# KiCad board output.Panel_R0.5.1_300x300_2layer_step1_Modified.kicad_pcb (continued)
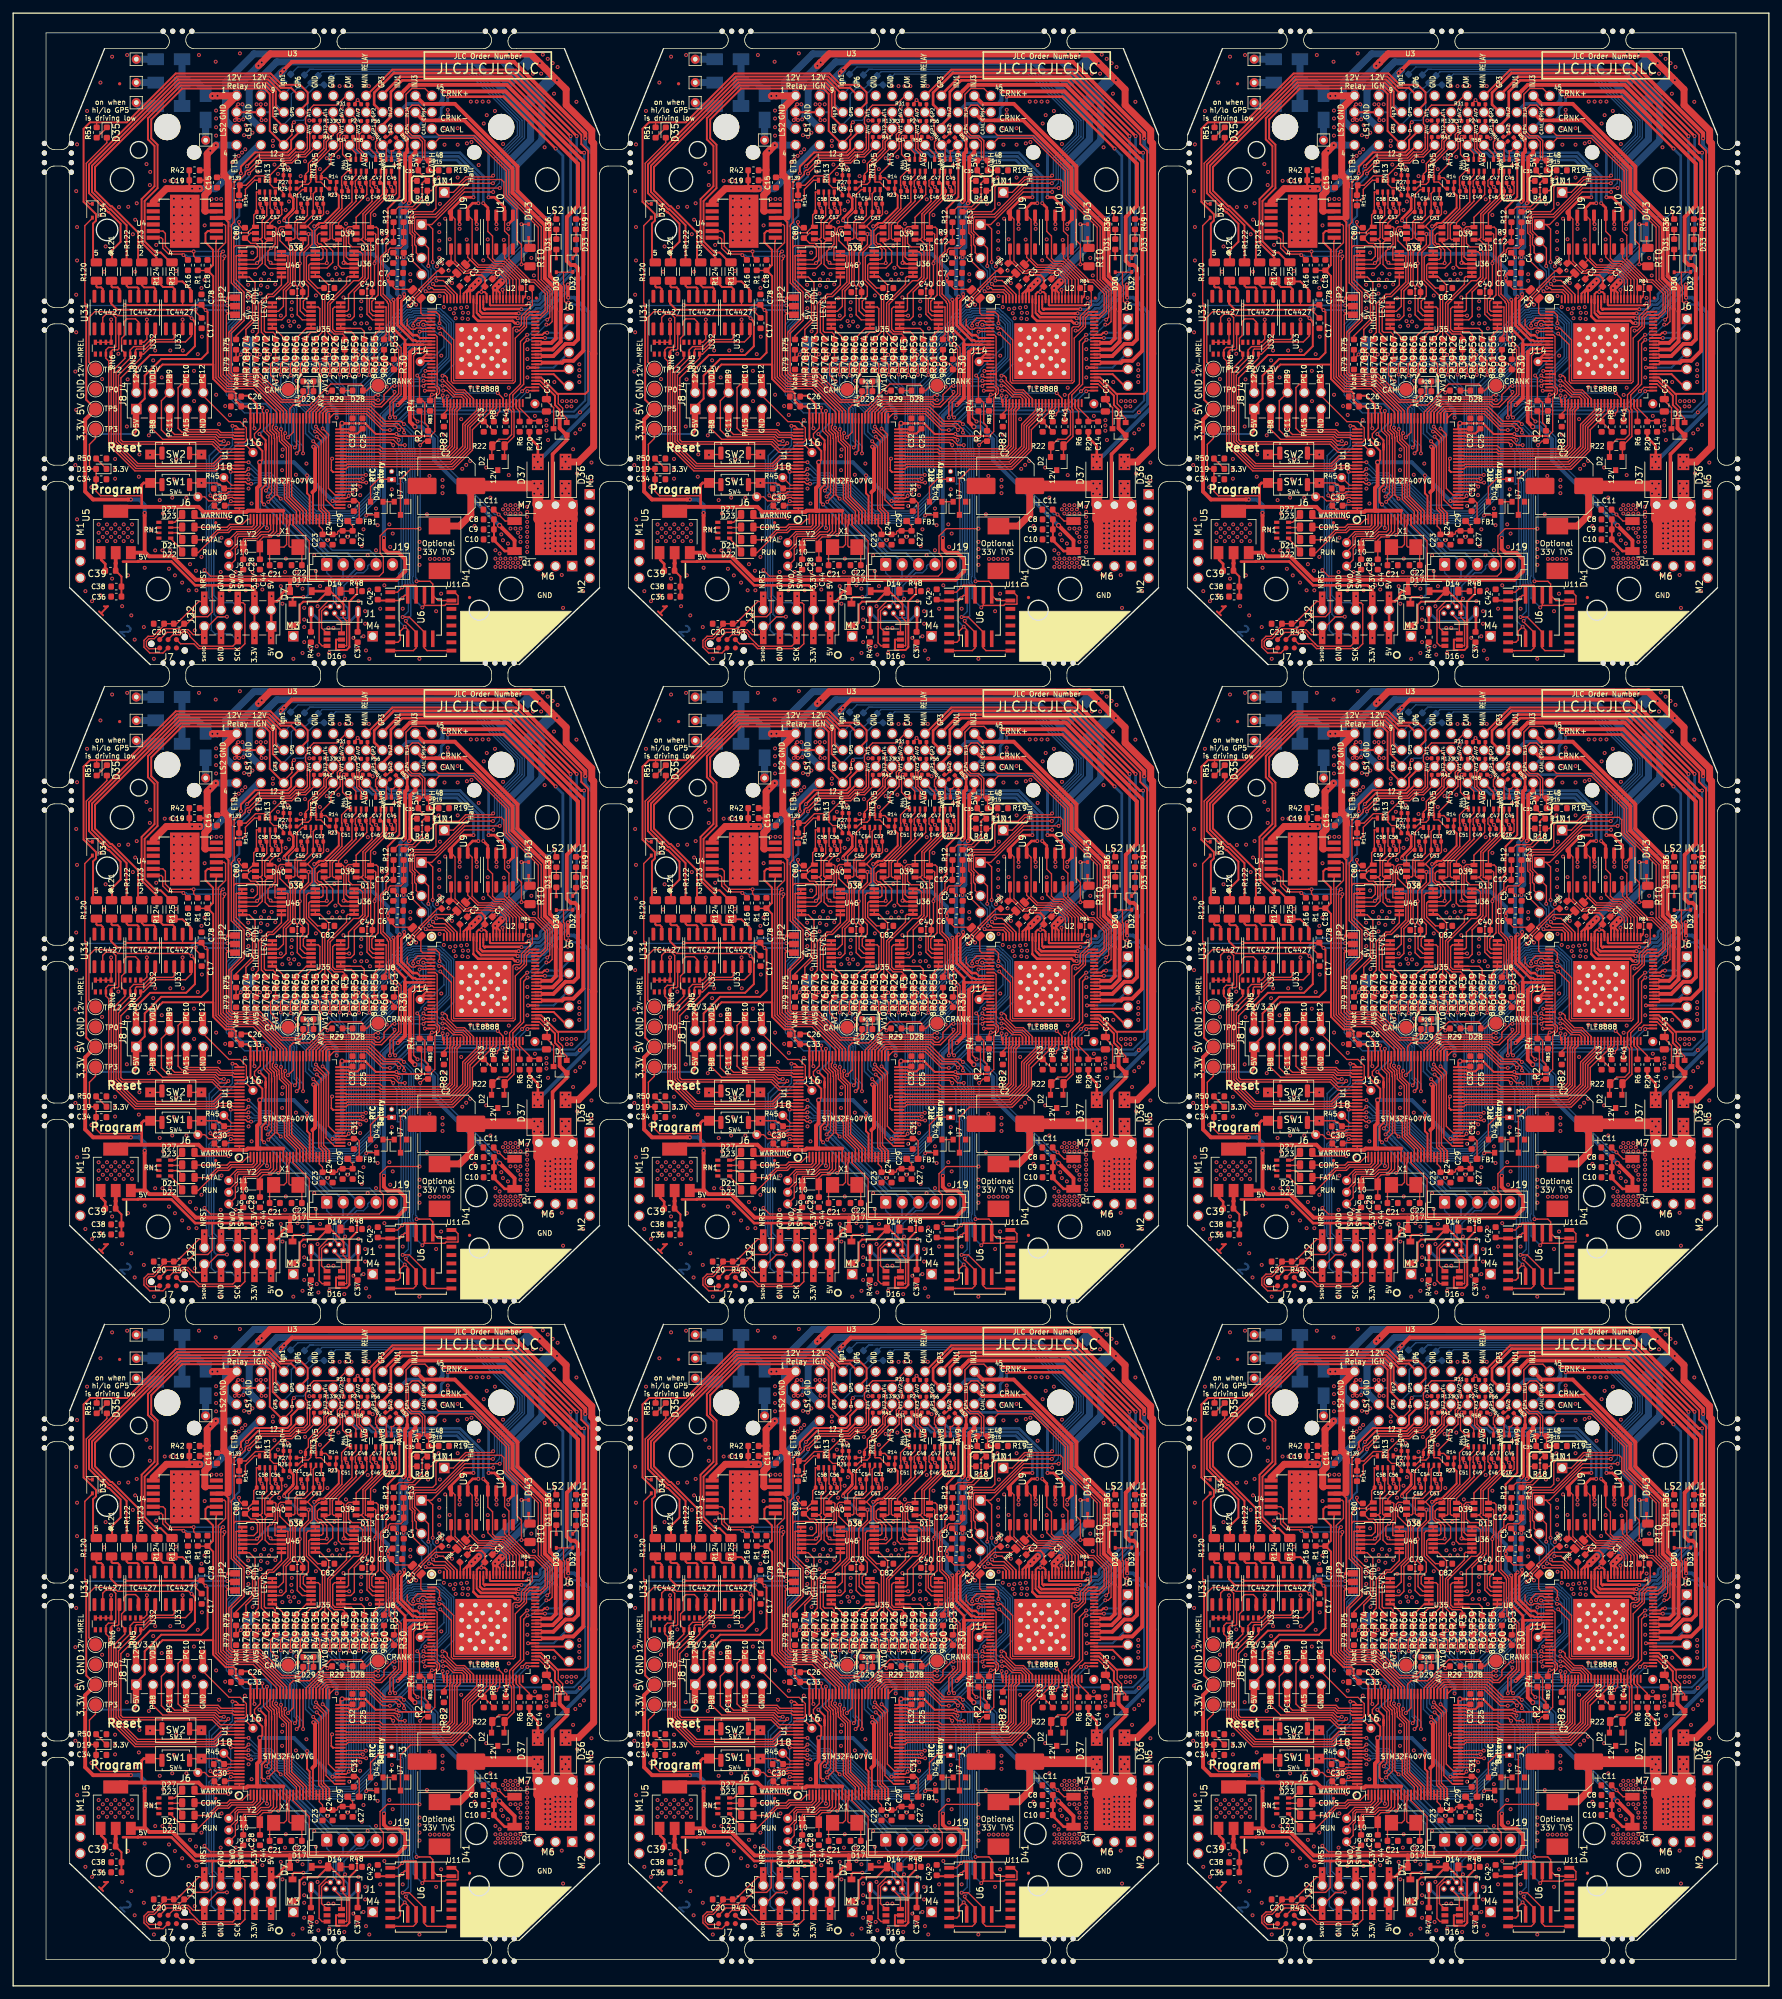
[diagram p0: board, top side]
## Routing (per net, layer and track width the routed paths; a pad name or vN(x,y) marks a point on that pad's centre or on a via; arc(x,y) is an arc through that point) (continued)
Net-(C53-Pad1): length 222.4
  Top w0.216: RN3#2.7 131.06,272.97 130.63,272.55 130.63,270.12 130.68,270.08 C53#2.1 130.68,269.44 129.36,268.12 128.23,268.12 128.23,265.82 128.42,265.63 D38#2.4 129.09,264.89 127.9,263.7 127.9,258.75 128.2,258.45 128.2,254.12 128.97,253.36 U35#2.3 ; RN3#3.7 216.06,272.97 215.63,272.55 215.63,270.12 215.68,270.08 C53#3.1 215.68,269.44 214.36,268.12 213.23,268.12 213.23,265.82 213.42,265.63 D38#3.4 214.09,264.89 212.9,263.7 212.9,258.75 213.2,258.45 213.2,254.12 213.97,253.36 U35#3.3 ; RN3#6.7 46.06,175.97 45.63,175.55 45.63,173.12 45.68,173.08 C53#4.1 45.68,172.44 44.36,171.12 43.23,171.12 43.23,168.82 43.42,168.63 D38#4.4 44.09,167.89 42.9,166.7 42.9,161.75 43.2,161.45 43.2,157.12 43.97,156.36 U35#4.3 ; RN3#4.7 131.06,175.97 130.63,175.55 130.63,173.12 130.68,173.08 C53#6.1 130.68,172.44 129.36,171.12 128.23,171.12 128.23,168.82 128.42,168.63 D38#6.4 129.09,167.89 127.9,166.7 127.9,161.75 128.2,161.45 128.2,157.12 128.97,156.36 U35#6.3 ; RN3#5.7 216.06,175.97 215.63,175.55 215.63,173.12 215.68,173.08 C53#5.1 215.68,172.44 214.36,171.12 213.23,171.12 213.23,168.82 213.42,168.63 D38#5.4 214.09,167.89 212.9,166.7 212.9,161.75 213.2,161.45 213.2,157.12 213.97,156.36 U35#5.3 ; RN3#8.7 131.06,78.97 130.63,78.55 130.63,76.12 130.68,76.08 C53#9.1 130.68,75.44 129.36,74.12 128.23,74.12 128.23,71.82 128.42,71.63 D38#8.4 129.09,70.89 127.9,69.7 127.9,64.75 128.2,64.45 128.2,60.12 128.97,59.36 U35#9.3 ; U35#7.3 43.97,59.36 43.2,60.12 43.2,64.45 42.9,64.75 42.9,69.7 44.09,70.89 D38#9.4 43.42,71.63 43.23,71.82 43.23,74.12 44.36,74.12 45.68,75.44 C53#7.1 45.68,76.08 45.63,76.12 45.63,78.55 46.06,78.97 RN3#9.7 ; RN3#7.7 216.06,78.97 215.63,78.55 215.63,76.12 215.68,76.08 C53#8.1 215.68,75.44 214.36,74.12 213.23,74.12 213.23,71.82 213.42,71.63 D38#7.4 214.09,70.89 212.9,69.7 212.9,64.75 213.2,64.45 213.2,60.12 213.97,59.36 U35#8.3 ; U35.3 43.97,253.36 43.2,254.12 43.2,258.45 42.9,258.75 42.9,263.7 44.09,264.89 D38.4 43.42,265.63 43.23,265.82 43.23,268.12 44.36,268.12 45.68,269.44 C53.1 45.68,270.08 45.63,270.12 45.63,272.55 46.06,272.97 RN3.7
Net-(C54-Pad1): length 221.6
  Top w0.216: U35#2.12 125.86,253.36 126.5,254 126.5,257.76 127.53,258.79 127.53,264.17 126.89,264.81 D38#2.3 127.68,265.63 127.85,265.8 127.85,268.26 128.21,268.61 129.13,268.61 129.75,269.23 C54#2.1 129.75,271.35 130.26,271.86 RN3#2.6 ; U35#3.12 210.86,253.36 211.5,254 211.5,257.76 212.53,258.79 212.53,264.17 211.89,264.81 D38#3.3 212.68,265.63 212.85,265.8 212.85,268.26 213.21,268.61 214.13,268.61 214.75,269.23 C54#3.1 214.75,271.35 215.26,271.86 RN3#3.6 ; U35#4.12 40.86,156.36 41.5,157 41.5,160.76 42.53,161.79 42.53,167.17 41.89,167.81 D38#4.3 42.68,168.63 42.85,168.8 42.85,171.26 43.21,171.61 44.13,171.61 44.75,172.22 C54#4.1 44.75,174.35 45.26,174.86 RN3#6.6 ; U35#6.12 125.86,156.36 126.5,157 126.5,160.76 127.53,161.79 127.53,167.17 126.89,167.81 D38#6.3 127.68,168.63 127.85,168.8 127.85,171.26 128.21,171.61 129.13,171.61 129.75,172.22 C54#6.1 129.75,174.35 130.26,174.86 RN3#4.6 ; U35#5.12 210.86,156.36 211.5,157 211.5,160.76 212.53,161.79 212.53,167.17 211.89,167.81 D38#5.3 212.68,168.63 212.85,168.8 212.85,171.26 213.21,171.61 214.13,171.61 214.75,172.22 C54#5.1 214.75,174.35 215.26,174.86 RN3#5.6 ; U35#9.12 125.86,59.36 126.5,60 126.5,63.76 127.53,64.79 127.53,70.17 126.89,70.81 D38#8.3 127.68,71.63 127.85,71.8 127.85,74.26 128.21,74.61 129.13,74.61 129.75,75.23 C54#9.1 129.75,77.35 130.26,77.86 RN3#8.6 ; U35#7.12 40.86,59.36 41.5,60 41.5,63.76 42.53,64.79 42.53,70.17 41.89,70.81 D38#9.3 42.68,71.63 42.85,71.8 42.85,74.26 43.21,74.61 44.13,74.61 44.75,75.23 C54#8.1 44.75,77.35 45.26,77.86 RN3#9.6 ; U35#8.12 210.86,59.36 211.5,60 211.5,63.76 212.53,64.79 212.53,70.17 211.89,70.81 D38#7.3 212.68,71.63 212.85,71.8 212.85,74.26 213.21,74.61 214.13,74.61 214.75,75.23 C54#7.1 214.75,77.35 215.26,77.86 RN3#7.6 ; U35.12 40.86,253.36 41.5,254 41.5,257.76 42.53,258.79 42.53,264.17 41.89,264.81 D38.3 42.68,265.63 42.85,265.8 42.85,268.26 43.21,268.61 44.13,268.61 44.75,269.23 C54.1 44.75,271.35 45.26,271.86 RN3.6
Net-(C55-Pad1): length 221.7
  Top w0.216: D38#2.1 126.43,267.53 ; D38#2.1 125.64,267.53 125.34,267.23 125.34,266.69 125.58,266.44 125.58,265.4 127.16,263.82 127.16,258.94 126.1,257.88 126.1,255.41 125.35,254.66 U35#2.10 ; D38#2.1 126.8,267.62 126.6,267.62 ; D38#2.1 126.89,268.8 127.85,269.76 C55#2.1 128.14,272.32 128.99,273.17 RN3#2.5 ; 211.6,267.62 211.8,267.62 D38#3.1 ; D38#3.1 211.43,267.53 ; D38#3.1 210.64,267.53 210.34,267.23 210.34,266.69 210.58,266.44 210.58,265.4 212.16,263.82 212.16,258.94 211.1,257.88 211.1,255.41 210.35,254.66 U35#3.10 ; D38#3.1 211.89,268.8 212.85,269.76 C55#3.1 213.14,272.32 213.99,273.17 RN3#3.5 ; 41.89,170.53 41.43,170.53 ; 41.89,170.53 40.64,170.53 40.34,170.23 40.34,169.69 40.58,169.44 40.58,168.4 42.16,166.82 42.16,161.94 41.1,160.88 41.1,158.41 40.35,157.66 U35#4.10 ; 41.89,170.53 41.8,170.62 41.6,170.62 ; 41.89,170.53 41.89,171.8 42.85,172.76 C55#4.1 43.14,175.32 43.99,176.17 RN3#6.5 ; 126.6,170.62 126.8,170.62 126.89,170.53 ; 126.89,170.53 126.43,170.53 ; 126.89,170.53 125.64,170.53 125.34,170.23 125.34,169.69 125.58,169.44 125.58,168.4 127.16,166.82 127.16,161.94 126.1,160.88 126.1,158.41 125.35,157.66 U35#6.10 ; 126.89,170.53 126.89,171.8 127.85,172.76 C55#6.1 128.14,175.32 128.99,176.17 RN3#4.5 ; 211.89,170.53 211.8,170.62 211.6,170.62 ; 211.89,170.53 211.43,170.53 ; 211.89,170.53 210.64,170.53 210.34,170.23 210.34,169.69 210.58,169.44 210.58,168.4 212.16,166.82 212.16,161.94 211.1,160.88 211.1,158.41 210.35,157.66 U35#5.10 ; 211.89,170.53 211.89,171.8 212.85,172.76 C55#5.1 213.14,175.32 213.99,176.17 RN3#5.5 ; 126.6,73.62 126.8,73.62 D38#8.1 ; D38#8.1 126.43,73.53 ; D38#8.1 125.64,73.53 125.34,73.23 125.34,72.69 125.58,72.44 125.58,71.4 127.16,69.82 127.16,64.94 126.1,63.88 126.1,61.41 125.35,60.66 U35#9.10 ; D38#8.1 126.89,74.8 127.85,75.76 C55#9.1 128.14,78.32 128.99,79.17 RN3#8.5 ; D38#9.1 40.64,73.53 40.34,73.23 40.34,72.69 40.58,72.44 40.58,71.4 42.16,69.82 42.16,64.94 41.1,63.88 41.1,61.41 40.35,60.66 U35#7.10 ; D38#9.1 41.43,73.53 ; D38#9.1 41.89,74.8 42.85,75.76 C55#7.1 43.14,78.32 43.99,79.17 RN3#9.5 ; D38#9.1 41.8,73.62 41.6,73.62 ; U35#8.10 210.35,60.66 211.1,61.41 211.1,63.88 212.16,64.94 212.16,69.82 210.58,71.4 210.58,72.44 210.34,72.69 210.34,73.23 210.64,73.53 D38#7.1 ; D38#7.1 211.43,73.53 ; D38#7.1 211.8,73.62 211.6,73.62 ; D38#7.1 211.89,74.8 212.85,75.76 C55#8.1 213.14,78.32 213.99,79.17 RN3#7.5 ; D38.1 40.64,267.53 40.34,267.23 40.34,266.69 40.58,266.44 40.58,265.4 42.16,263.82 42.16,258.94 41.1,257.88 41.1,255.41 40.35,254.66 U35.10 ; D38.1 41.43,267.53 ; D38.1 41.8,267.62 41.6,267.62 ; D38.1 41.89,268.8 42.85,269.76 C55.1 43.14,272.32 43.99,273.17 RN3.5
Net-(C56-Pad1): length 123.9
  Top w0.216: RN13#2.8 124.87,271.96 125.81,271.03 125.81,270.14 125.86,270.1 125.86,269.41 125.23,268.79 124.8,268.79 124.05,268.05 D40#2.3 124.8,267.51 124.97,267.34 124.97,266.53 125.21,266.29 125.21,264.56 124.82,264.17 124.82,262.52 124.86,262.47 U46#2.12 ; RN13#3.8 209.87,271.96 210.81,271.03 210.81,270.14 210.86,270.1 210.86,269.41 210.23,268.79 209.8,268.79 209.05,268.05 D40#3.3 209.8,267.51 209.97,267.34 209.97,266.53 210.21,266.29 210.21,264.56 209.82,264.17 209.82,262.52 209.86,262.47 U46#3.12 ; RN13#6.8 39.87,174.96 C56#4.1 40.81,173.14 40.86,173.1 40.86,172.41 40.23,171.79 39.8,171.79 39.05,171.05 D40#4.3 39.8,170.51 39.97,170.34 39.97,169.53 40.21,169.29 40.21,167.56 39.82,167.17 39.82,165.52 39.86,165.47 U46#6.12 ; RN13#4.8 124.87,174.96 125.81,174.03 125.81,173.14 125.86,173.1 125.86,172.41 125.23,171.79 124.8,171.79 124.05,171.05 D40#6.3 124.8,170.51 124.97,170.34 124.97,169.53 125.21,169.29 125.21,167.56 124.82,167.17 124.82,165.52 124.86,165.47 U46#4.12 ; RN13#5.8 209.87,174.96 210.81,174.03 210.81,173.14 210.86,173.1 210.86,172.41 210.23,171.79 209.8,171.79 209.05,171.05 D40#5.3 209.8,170.51 209.97,170.34 209.97,169.53 210.21,169.29 210.21,167.56 209.82,167.17 209.82,165.52 209.86,165.47 U46#5.12 ; RN13#8.8 124.87,77.96 125.81,77.03 125.81,76.14 125.86,76.1 125.86,75.41 125.23,74.79 124.8,74.79 124.05,74.05 D40#9.3 124.8,73.51 124.97,73.34 124.97,72.53 125.21,72.29 125.21,70.56 124.82,70.17 124.82,68.52 124.86,68.47 U46#8.12 ; RN13#9.8 39.87,77.96 C56#8.1 40.81,76.14 40.86,76.1 40.86,75.41 40.23,74.79 39.8,74.79 39.05,74.05 D40#7.3 39.8,73.51 39.97,73.34 39.97,72.53 40.21,72.29 40.21,70.56 39.82,70.17 39.82,68.52 39.86,68.47 U46#9.12 ; RN13#7.8 209.87,77.96 210.81,77.03 210.81,76.14 210.86,76.1 210.86,75.41 210.23,74.79 209.8,74.79 209.05,74.05 D40#8.3 209.8,73.51 209.97,73.34 209.97,72.53 210.21,72.29 210.21,70.56 209.82,70.17 209.82,68.52 209.86,68.47 U46#7.12 ; U46.12 39.86,262.47 39.82,262.52 39.82,264.17 40.21,264.56 40.21,266.29 39.97,266.53 39.97,267.34 39.8,267.51 D40.3 39.05,268.05 39.8,268.79 40.23,268.79 40.86,269.41 40.86,270.1 40.81,270.14 C56.1 39.87,271.96 RN13.8
Net-(C57-Pad1): length 139.7
  Top w0.203: D40#2.1 123.85,265.61 123.32,265.08 123.32,261.78 123.93,261.17 124.83,261.17 ; 209.83,261.17 208.93,261.17 208.32,261.78 208.32,265.08 208.85,265.61 D40#3.1 ; D40#4.1 38.85,168.61 38.32,168.08 38.32,164.78 38.93,164.17 39.83,164.17 ; 124.83,164.17 123.93,164.17 123.32,164.78 123.32,168.08 123.85,168.61 D40#6.1 ; 209.83,164.17 208.93,164.17 208.32,164.78 208.32,168.08 208.85,168.61 D40#5.1 ; 124.83,67.17 123.93,67.17 123.32,67.78 123.32,71.08 123.85,71.61 D40#9.1 ; D40#7.1 38.85,71.61 38.32,71.08 38.32,67.78 38.93,67.17 39.83,67.17 ; 209.83,67.17 208.93,67.17 208.32,67.78 208.32,71.08 208.85,71.61 D40#8.1 ; 39.83,261.17 38.93,261.17 38.32,261.78 38.32,265.08 38.85,265.61 D40.1
  Top w0.216: 123.32,268.09 123.4,268.17 ; 123.4,268.17 124.33,269.1 C57#2.1 124.33,270.08 124.08,270.33 124.08,272.17 124.07,272.18 RN13#2.7 ; 123.4,268.17 123.26,268.03 123.26,265.79 123.44,265.61 D40#2.1 ; U46#2.10 124.83,261.17 ; 208.32,268.09 208.4,268.17 ; 208.4,268.17 209.33,269.1 C57#3.1 209.33,270.08 209.08,270.33 209.08,272.17 209.07,272.18 RN13#3.7 ; 208.4,268.17 208.26,268.03 208.26,265.79 208.44,265.61 D40#3.1 ; U46#3.10 209.83,261.17 ; 38.32,171.09 38.4,171.17 ; 38.4,171.17 39.33,172.1 C57#4.1 39.33,173.08 39.08,173.33 39.08,175.17 39.07,175.18 39.07,175.79 ; 38.4,171.17 38.26,171.03 38.26,168.79 38.44,168.61 D40#4.1 ; U46#6.10 39.83,164.17 ; 123.32,171.09 123.4,171.17 ; 123.4,171.17 124.33,172.1 C57#6.1 124.33,173.08 124.08,173.33 124.08,175.17 124.07,175.18 RN13#4.7 ; 123.4,171.17 123.26,171.03 123.26,168.79 123.44,168.61 D40#6.1 ; U46#4.10 124.83,164.17 ; 208.4,171.17 209.33,172.1 C57#5.1 209.33,173.08 209.08,173.33 209.08,175.17 209.07,175.18 RN13#5.7 ; 208.4,171.17 208.32,171.09 ; 208.4,171.17 208.26,171.03 208.26,168.79 208.44,168.61 D40#5.1 ; U46#5.10 209.83,164.17 ; 123.32,74.09 123.4,74.17 ; 123.4,74.17 124.33,75.1 C57#9.1 124.33,76.08 124.08,76.33 124.08,78.17 124.07,78.18 RN13#8.7 ; 123.4,74.17 123.26,74.03 123.26,71.79 123.44,71.61 D40#9.1 ; U46#8.10 124.83,67.17 ; 38.32,74.09 38.4,74.17 ; 38.4,74.17 38.26,74.03 38.26,71.79 38.44,71.61 D40#7.1 ; 38.4,74.17 39.33,75.1 C57#8.1 39.33,76.08 39.08,76.33 39.08,78.17 39.07,78.18 39.07,78.79 ; U46#9.10 39.83,67.17 ; 208.4,74.17 209.33,75.1 C57#7.1 209.33,76.08 209.08,76.33 209.08,78.17 209.07,78.18 RN13#7.7 ; 208.4,74.17 208.32,74.09 ; 208.4,74.17 208.26,74.03 208.26,71.79 208.44,71.61 D40#8.1 ; U46#7.10 209.83,67.17 ; 38.4,268.17 38.26,268.03 38.26,265.79 38.44,265.61 D40.1 ; 38.4,268.17 39.33,269.1 C57.1 39.33,270.08 39.08,270.33 39.08,272.17 39.07,272.18 39.07,272.79 ; 38.4,268.17 38.32,268.09 ; U46.10 39.83,261.17
Net-(C58-Pad1): length 146.6
  Top w0.216: RN13#2.6 123.27,271.28 C58#2.1 123.52,270.71 123.57,270.66 123.57,269.21 122.87,268.51 122.87,265.87 122.61,265.61 D40#2.6 122.6,265.61 122.89,265.32 122.89,261.96 122.1,261.17 U46#2.5 ; RN13#3.6 208.27,271.28 C58#3.1 208.52,270.71 208.57,270.66 208.57,269.21 207.87,268.51 207.87,265.87 207.61,265.61 D40#3.6 207.6,265.61 207.89,265.32 207.89,261.96 207.1,261.17 U46#3.5 ; RN13#6.6 38.27,174.28 C58#4.1 38.52,173.71 38.57,173.66 38.57,172.21 37.87,171.51 37.87,168.87 37.61,168.61 D40#4.6 37.6,168.61 37.89,168.32 37.89,164.96 37.1,164.17 U46#6.5 ; RN13#4.6 123.27,174.28 C58#6.1 123.52,173.71 123.57,173.66 123.57,172.21 122.87,171.51 122.87,168.87 122.61,168.61 D40#6.6 122.6,168.61 122.89,168.32 122.89,164.96 122.1,164.17 U46#4.5 ; U46#5.5 207.1,164.17 207.89,164.96 207.89,168.32 207.6,168.61 D40#5.6 207.61,168.61 207.87,168.87 207.87,171.51 208.57,172.21 208.57,173.66 208.52,173.71 C58#5.1 208.27,174.28 RN13#5.6 ; RN13#8.6 123.27,77.28 C58#9.1 123.52,76.71 123.57,76.66 123.57,75.21 122.87,74.51 122.87,71.87 122.61,71.61 D40#9.6 122.6,71.61 122.89,71.32 122.89,67.96 122.1,67.17 U46#8.5 ; RN13#9.6 38.27,77.28 C58#8.1 38.52,76.71 38.57,76.66 38.57,75.21 37.87,74.51 37.87,71.87 37.61,71.61 D40#7.6 37.6,71.61 37.89,71.32 37.89,67.96 37.1,67.17 U46#9.5 ; U46#7.5 207.1,67.17 207.89,67.96 207.89,71.32 207.6,71.61 D40#8.6 207.61,71.61 207.87,71.87 207.87,74.51 208.57,75.21 208.57,76.66 208.52,76.71 C58#7.1 208.27,77.28 RN13#7.6 ; U46.5 37.1,261.17 37.89,261.96 37.89,265.32 37.6,265.61 D40.6 37.61,265.61 37.87,265.87 37.87,268.51 38.57,269.21 38.57,270.66 38.52,270.71 C58.1 38.27,271.28 RN13.6
Net-(D3-Pad2): length 28.5
  Bottom w1.067: D3#2.2 104.24,285.88 J5#2.1 ; D3#3.2 189.24,285.88 J5#3.1 ; D3#5.2 189.24,188.88 J5#5.1 ; D3#4.2 19.24,188.88 J5#4.1 ; D3#6.2 104.24,188.88 J5#6.1 ; D3#7.2 19.24,91.88 J5#7.1 ; D3#9.2 104.24,91.88 J5#9.1 ; D3#8.2 189.24,91.88 J5#8.1 ; J5.1 19.24,285.88 D3.2
Net-(D4-Pad2): length 27.7
  Bottom w1.067: J3#2.1 D4#2.2 ; J3#3.1 D4#3.2 ; J3#5.1 D4#5.2 ; J3#4.1 D4#4.2 ; J3#6.1 D4#6.2 ; J3#7.1 D4#7.2 ; J3#9.1 D4#9.2 ; J3#8.1 D4#8.2 ; J3.1 D4.2
Net-(D5-Pad2): length 26.6
  Bottom w1.067: J13#2.1 D5#2.2 ; J13#3.1 D5#3.2 ; J13#6.1 D5#6.2 ; J13#4.1 D5#4.2 ; J13#5.1 D5#5.2 ; J13#9.1 D5#9.2 ; J13#7.1 D5#7.2 ; J13#8.1 D5#8.2 ; J13.1 D5.2
Net-(D6-Pad2): length 26.6
  Bottom w1.067: J12#2.1 D6#2.2 ; J12#3.1 D6#3.2 ; J12#6.1 D6#6.2 ; J12#4.1 D6#4.2 ; J12#5.1 D6#5.2 ; J12#9.1 D6#9.2 ; J12#8.1 D6#7.2 ; J12#7.1 D6#8.2 ; J12.1 D6.2
Net-(D14-Pad1): length 15.3
  Top w0.216: D14#2.1 R48#2.2 ; D14#3.1 R48#3.2 ; D14#4.1 R48#4.2 ; D14#6.1 R48#6.2 ; D14#5.1 R48#5.2 ; D14#9.1 R48#9.2 ; D14#8.1 R48#8.2 ; D14#7.1 R48#7.2 ; D14.1 R48.2
Net-(D19-Pad1): length 20
  Top w0.216: R50#2.2 D19#2.1 ; R50#3.2 D19#3.1 ; R50#4.2 D19#5.1 ; R50#5.2 D19#6.1 ; R50#6.2 D19#4.1 ; R50#8.2 D19#9.1 ; R50#9.2 D19#8.1 ; R50#7.2 D19#7.1 ; R50.2 D19.1
Net-(D21-Pad1): length 19.3
  Top w0.216: 110.79,220.23 110.05,220.97 RN1#2.2 ; RN1#3.2 195.05,220.97 195.79,220.23 ; RN1#4.2 110.05,123.97 110.79,123.23 ; 25.8,123.23 25.05,123.97 RN1#6.2 ; RN1#5.2 195.05,123.97 195.79,123.23 ; 108.96,26.97 110.05,26.97 110.79,26.23 ; 193.96,26.97 195.05,26.97 195.79,26.23 ; 23.96,26.97 25.05,26.97 25.8,26.23 ; 25.8,220.23 25.05,220.97 RN1.2
Net-(D22-Pad1): length 24.1
  Top w0.216: RN1#2.1 108.96,220.08 110.63,218.41 110.79,218.57 ; RN1#3.1 193.96,220.08 195.63,218.41 195.79,218.57 ; RN1#4.1 108.96,123.08 110.63,121.41 110.79,121.57 ; RN1#6.1 23.96,123.08 25.63,121.41 25.8,121.57 ; 195.79,121.57 195.63,121.41 193.96,123.08 RN1#5.1 ; 110.79,24.57 110.63,24.41 108.96,26.08 108.96,26.17 ; 193.96,26.17 193.96,26.08 195.63,24.41 195.79,24.57 ; 25.8,24.57 25.63,24.41 23.96,26.08 23.96,26.17 ; 25.8,218.57 25.63,218.41 23.96,220.08 RN1.1
Net-(D23-Pad1): length 17.1
  Top w0.216: 110.82,221.88 110.34,221.88 110.23,221.77 RN1#2.3 ; RN1#3.3 195.23,221.77 195.34,221.88 195.82,221.88 ; RN1#4.3 110.23,124.77 110.34,124.88 110.82,124.88 ; 25.82,124.88 25.34,124.88 25.23,124.77 RN1#6.3 ; RN1#5.3 195.23,124.77 195.34,124.88 195.82,124.88 ; 110.82,27.88 110.34,27.88 110.23,27.77 RN1#8.3 ; RN1#7.3 195.23,27.77 195.34,27.88 195.82,27.88 ; 25.82,27.88 25.34,27.88 25.23,27.77 RN1#9.3 ; 25.82,221.88 25.34,221.88 25.23,221.77 RN1.3
Net-(D27-Pad1): length 19.8
  Top w0.216: 110.7,223.7 110.7,223.7 109.57,222.57 RN1#2.4 ; RN1#3.4 194.57,222.57 195.7,223.7 195.7,223.7 ; RN1#4.4 109.57,125.57 110.7,126.7 110.7,126.7 ; 25.7,126.7 25.7,126.7 24.57,125.57 RN1#6.4 ; RN1#5.4 194.57,125.57 195.7,126.7 195.7,126.7 ; 110.7,29.7 110.7,29.7 109.57,28.57 RN1#8.4 ; RN1#7.4 194.57,28.57 195.7,29.7 195.7,29.7 ; 25.7,29.7 25.7,29.7 24.57,28.57 RN1#9.4 ; 25.7,223.7 25.7,223.7 24.57,222.57 RN1.4
Net-(D28-Pad1): length 13.7
  Top w0.203: R29#2.1 D28#2.1 ; R29#3.1 D28#3.1 ; R29#5.1 D28#5.1 ; R29#4.1 D28#4.1 ; R29#6.1 D28#6.1 ; R29#8.1 D28#8.1 ; R29#7.1 D28#7.1 ; R29#9.1 D28#9.1 ; R29.1 D28.1
Net-(D29-Pad1): length 13.5
  Top w0.203: D29#2.1 130.68,243.99 R28#2.2 ; D29#3.1 215.68,243.99 R28#3.2 ; R28#5.2 215.68,146.99 D29#5.1 ; D29#4.1 45.68,146.99 R28#4.2 ; D29#6.1 130.68,146.99 R28#6.2 ; R28#8.2 215.68,49.99 D29#7.1 ; D29#8.1 45.68,49.99 R28#7.2 ; D29#9.1 130.68,49.99 R28#9.2 ; D29.1 45.68,243.99 R28.2
Net-(D30-Pad1): length 24.9
  Top w0.203: 167.7,262.7 167.6,262.8 D31#2.2 D30#2.1 ; 252.7,262.7 252.6,262.8 D31#3.2 D30#3.1 ; 252.7,165.7 252.6,165.8 D31#5.2 D30#5.1 ; 82.7,165.7 82.6,165.8 D31#4.2 D30#6.1 ; 167.7,165.7 167.6,165.8 D31#6.2 D30#4.1 ; 82.7,68.7 82.6,68.8 D31#8.2 D30#9.1 ; 167.7,68.7 167.6,68.8 D31#9.2 D30#8.1 ; 252.7,68.7 252.6,68.8 D31#7.2 D30#7.1 ; D30.1 D31.2 82.6,262.8 82.7,262.7
Net-(D31-Pad1): length 13.3
  Top w0.203: R36#2.1 D31#2.1 ; R36#3.1 D31#3.1 ; R36#5.1 D31#5.1 ; R36#4.1 D31#4.1 ; R36#6.1 D31#6.1 ; R36#8.1 D31#7.1 ; R36#7.1 D31#8.1 ; R36#9.1 D31#9.1 ; R36.1 D31.1
Net-(D32-Pad1): length 13.2
  Top w0.203: D33#2.2 170.6,263.25 D32#2.1 ; D33#3.2 255.6,263.25 D32#3.1 ; D33#6.2 170.6,166.25 D32#4.1 ; D32#5.1 255.6,166.25 D33#5.2 ; D33#4.2 85.6,166.25 D32#6.1 ; D32#8.1 255.6,69.25 D33#7.2 ; D32#9.1 85.6,69.25 D33#8.2 ; D32#7.1 170.6,69.25 D33#9.2 ; D32.1 85.6,263.25 D33.2
Net-(D33-Pad1): length 13.7
  Top w0.203: R49#2.1 D33#2.1 ; R49#3.1 D33#3.1 ; R49#4.1 D33#6.1 ; R49#6.1 D33#4.1 ; R49#5.1 D33#5.1 ; R49#7.1 D33#9.1 ; R49#8.1 D33#7.1 ; R49#9.1 D33#8.1 ; R49.1 D33.1
Net-(D34-Pad1): length 108.3
  Top w0.216: 99.25,281.1 99.25,280.29 96.12,277.16 96.12,271.49 96.61,271 D34#2.1 ; 184.25,281.1 184.25,280.29 181.12,277.16 181.12,271.49 181.61,271 D34#3.1 ; 99.25,184.1 99.25,183.29 96.12,180.16 96.12,174.49 96.61,174 D34#4.1 ; 14.25,184.1 14.25,183.29 11.12,180.16 11.12,174.49 11.61,174 D34#6.1 ; 184.25,184.1 184.25,183.29 181.12,180.16 181.12,174.49 181.61,174 D34#5.1 ; 99.25,87.1 99.25,86.29 96.12,83.16 96.12,77.49 96.61,77 D34#8.1 ; 184.25,87.1 184.25,86.29 181.12,83.16 181.12,77.49 181.61,77 D34#7.1 ; 14.25,87.1 14.25,86.29 11.12,83.16 11.12,77.49 11.61,77 D34#9.1 ; D34.1 11.61,271 11.12,271.49 11.12,277.16 14.25,280.29 14.25,281.1
Net-(D35-Pad1): length 19
  Top w0.216: 99.2,282.55 97.71,281.06 R51#2.1 ; R51#3.1 182.71,281.06 184.2,282.55 ; R51#4.1 97.71,184.06 99.2,185.55 ; 14.2,185.55 12.71,184.06 R51#6.1 ; 184.2,185.55 182.71,184.06 R51#5.1 ; R51#7.1 97.71,87.06 99.2,88.55 ; 184.2,88.55 182.71,87.06 R51#8.1 ; R51#9.1 12.71,87.06 14.2,88.55 ; 14.2,282.55 12.71,281.06 R51.1
Net-(D43-Pad1): length 15.5
  Top w0.203: 163.8,263.9 163.7,264 ; R10#2.1 163.4,264.5 D43#2.1 ; 248.8,263.9 248.7,264 ; D43#3.1 248.4,264.5 R10#3.1 ; 248.8,166.9 248.7,167 ; R10#5.1 248.4,167.5 D43#5.1 ; 78.8,166.9 78.7,167 ; R10#4.1 78.4,167.5 D43#4.1 ; 163.8,166.9 163.7,167 ; D43#6.1 163.4,167.5 R10#6.1 ; D43#7.1 78.4,70.5 R10#7.1 ; 78.8,69.9 78.7,70 ; R10#9.1 163.4,70.5 D43#9.1 ; 163.8,69.9 163.7,70 ; 248.8,69.9 248.7,70 ; D43#8.1 248.4,70.5 R10#8.1 ; R10.1 78.4,264.5 D43.1 ; 78.8,263.9 78.7,264
Net-(NT1-Pad1): length 23.9
  Top w0.216: NT1#2.1 124.43,236.71 124.43,237.22 124.59,237.38 U1#2.68 ; NT1#3.1 209.43,236.71 209.43,237.22 209.59,237.38 U1#3.68 ; NT1#4.1 209.43,139.71 209.43,140.22 209.59,140.38 U1#5.68 ; NT1#6.1 39.43,139.71 39.43,140.22 39.59,140.38 U1#4.68 ; NT1#5.1 124.43,139.71 124.43,140.22 124.59,140.38 U1#6.68 ; U1#8.68 209.59,43.38 209.43,43.22 209.43,42.71 NT1#7.1 ; NT1#9.1 39.43,42.71 39.43,43.22 39.59,43.38 U1#7.68 ; NT1#8.1 124.43,42.71 124.43,43.22 124.59,43.38 U1#9.68 ; U1.68 39.59,237.38 39.43,237.22 39.43,236.71 NT1.1
Net-(R5-Pad2): length 173.5
  Top w0.216: U36#2.13 U36#2.14 ; R5#2.2 135.4,250.94 135.13,251.2 133.82,251.2 133.2,251.82 133.2,255.76 136.76,259.32 137.57,259.32 138.15,259.9 138.15,263.34 137.78,263.72 136.84,263.72 ; U36#3.13 U36#3.14 ; R5#3.2 220.4,250.94 220.13,251.2 218.82,251.2 218.2,251.82 218.2,255.76 221.76,259.32 222.57,259.32 223.15,259.9 223.15,263.34 222.78,263.72 221.84,263.72 ; U36#6.13 U36#6.14 ; R5#4.2 50.4,153.94 50.13,154.2 48.82,154.2 48.2,154.82 48.2,158.76 51.76,162.32 52.57,162.32 53.15,162.9 53.15,166.34 52.78,166.72 51.84,166.72 ; U36#4.13 U36#4.14 ; R5#6.2 135.4,153.94 135.13,154.2 133.82,154.2 133.2,154.82 133.2,158.76 136.76,162.32 137.57,162.32 138.15,162.9 138.15,166.34 137.78,166.72 136.84,166.72 ; U36#5.13 U36#5.14 ; R5#5.2 220.4,153.94 220.13,154.2 218.82,154.2 218.2,154.82 218.2,158.76 221.76,162.32 222.57,162.32 223.15,162.9 223.15,166.34 222.78,166.72 221.84,166.72 ; U36#8.13 U36#8.14 ; R5#9.2 135.4,56.94 135.13,57.2 133.82,57.2 133.2,57.82 133.2,61.76 136.76,65.32 137.57,65.32 138.15,65.9 138.15,69.34 137.78,69.72 136.84,69.72 ; U36#7.13 U36#7.14 ; R5#7.2 220.4,56.94 220.13,57.2 218.82,57.2 218.2,57.82 218.2,61.76 221.76,65.32 222.57,65.32 223.15,65.9 223.15,69.34 222.78,69.72 221.84,69.72 ; 51.84,69.72 52.78,69.72 53.15,69.34 53.15,65.9 52.57,65.32 51.76,65.32 48.2,61.76 48.2,57.82 48.82,57.2 50.13,57.2 50.4,56.94 R5#8.2 ; U36#9.13 U36#9.14 ; U36.13 U36.14 ; R5.2 50.4,250.94 50.13,251.2 48.82,251.2 48.2,251.82 48.2,255.76 51.76,259.32 52.57,259.32 53.15,259.9 53.15,263.34 52.78,263.72 51.84,263.72
Net-(R8-Pad2): length 28.2
  Top w0.216: U2#2.42 158.5,239.97 157.91,239.38 157.91,238.61 158.1,238.43 R8#2.2 ; R8#3.2 243.1,238.43 242.91,238.61 242.91,239.38 243.5,239.97 U2#3.42 ; R8#5.2 243.1,141.43 242.91,141.61 242.91,142.38 243.5,142.97 U2#5.42 ; U2#4.42 73.5,142.97 72.91,142.38 72.91,141.61 73.1,141.43 R8#4.2 ; R8#6.2 158.1,141.43 157.91,141.61 157.91,142.38 158.5,142.97 U2#6.42 ; R8#7.2 73.1,44.43 72.91,44.61 72.91,45.38 73.5,45.97 U2#7.42 ; R8#9.2 158.1,44.43 157.91,44.61 157.91,45.38 158.5,45.97 U2#9.42 ; R8#8.2 243.1,44.43 242.91,44.61 242.91,45.38 243.5,45.97 U2#8.42 ; U2.42 73.5,239.97 72.91,239.38 72.91,238.61 73.1,238.43 R8.2
Net-(R26-Pad2): length 115.8
  Top w0.216: U36#2.9 U36#2.8 135.88,259.93 135.7,259.75 135.7,258.78 132.83,255.91 132.83,251.46 R26#2.2 ; R26#3.2 217.83,251.46 217.83,255.91 220.7,258.78 220.7,259.75 220.88,259.93 U36#3.8 U36#3.9 ; U36#6.9 U36#6.8 50.88,162.93 50.7,162.75 50.7,161.78 47.83,158.91 47.83,154.46 R26#4.2 ; R26#6.2 132.83,154.46 132.83,158.91 135.7,161.78 135.7,162.75 135.88,162.93 U36#4.8 U36#4.9 ; U36#5.9 U36#5.8 220.88,162.93 220.7,162.75 220.7,161.78 217.83,158.91 217.83,154.46 R26#5.2 ; R26#7.2 217.83,57.46 217.83,61.91 220.7,64.78 220.7,65.75 220.88,65.93 U36#7.8 U36#7.9 ; R26#8.2 132.83,57.46 132.83,61.91 135.7,64.78 135.7,65.75 135.88,65.93 U36#8.8 U36#8.9 ; R26#9.2 47.83,57.46 47.83,61.91 50.7,64.78 50.7,65.75 50.88,65.93 U36#9.8 U36#9.9 ; R26.2 47.83,251.46 47.83,255.91 50.7,258.78 50.7,259.75 50.88,259.93 U36.8 U36.9